# KiCad board Bestellung Rev.1.kicad_pcb (continued)
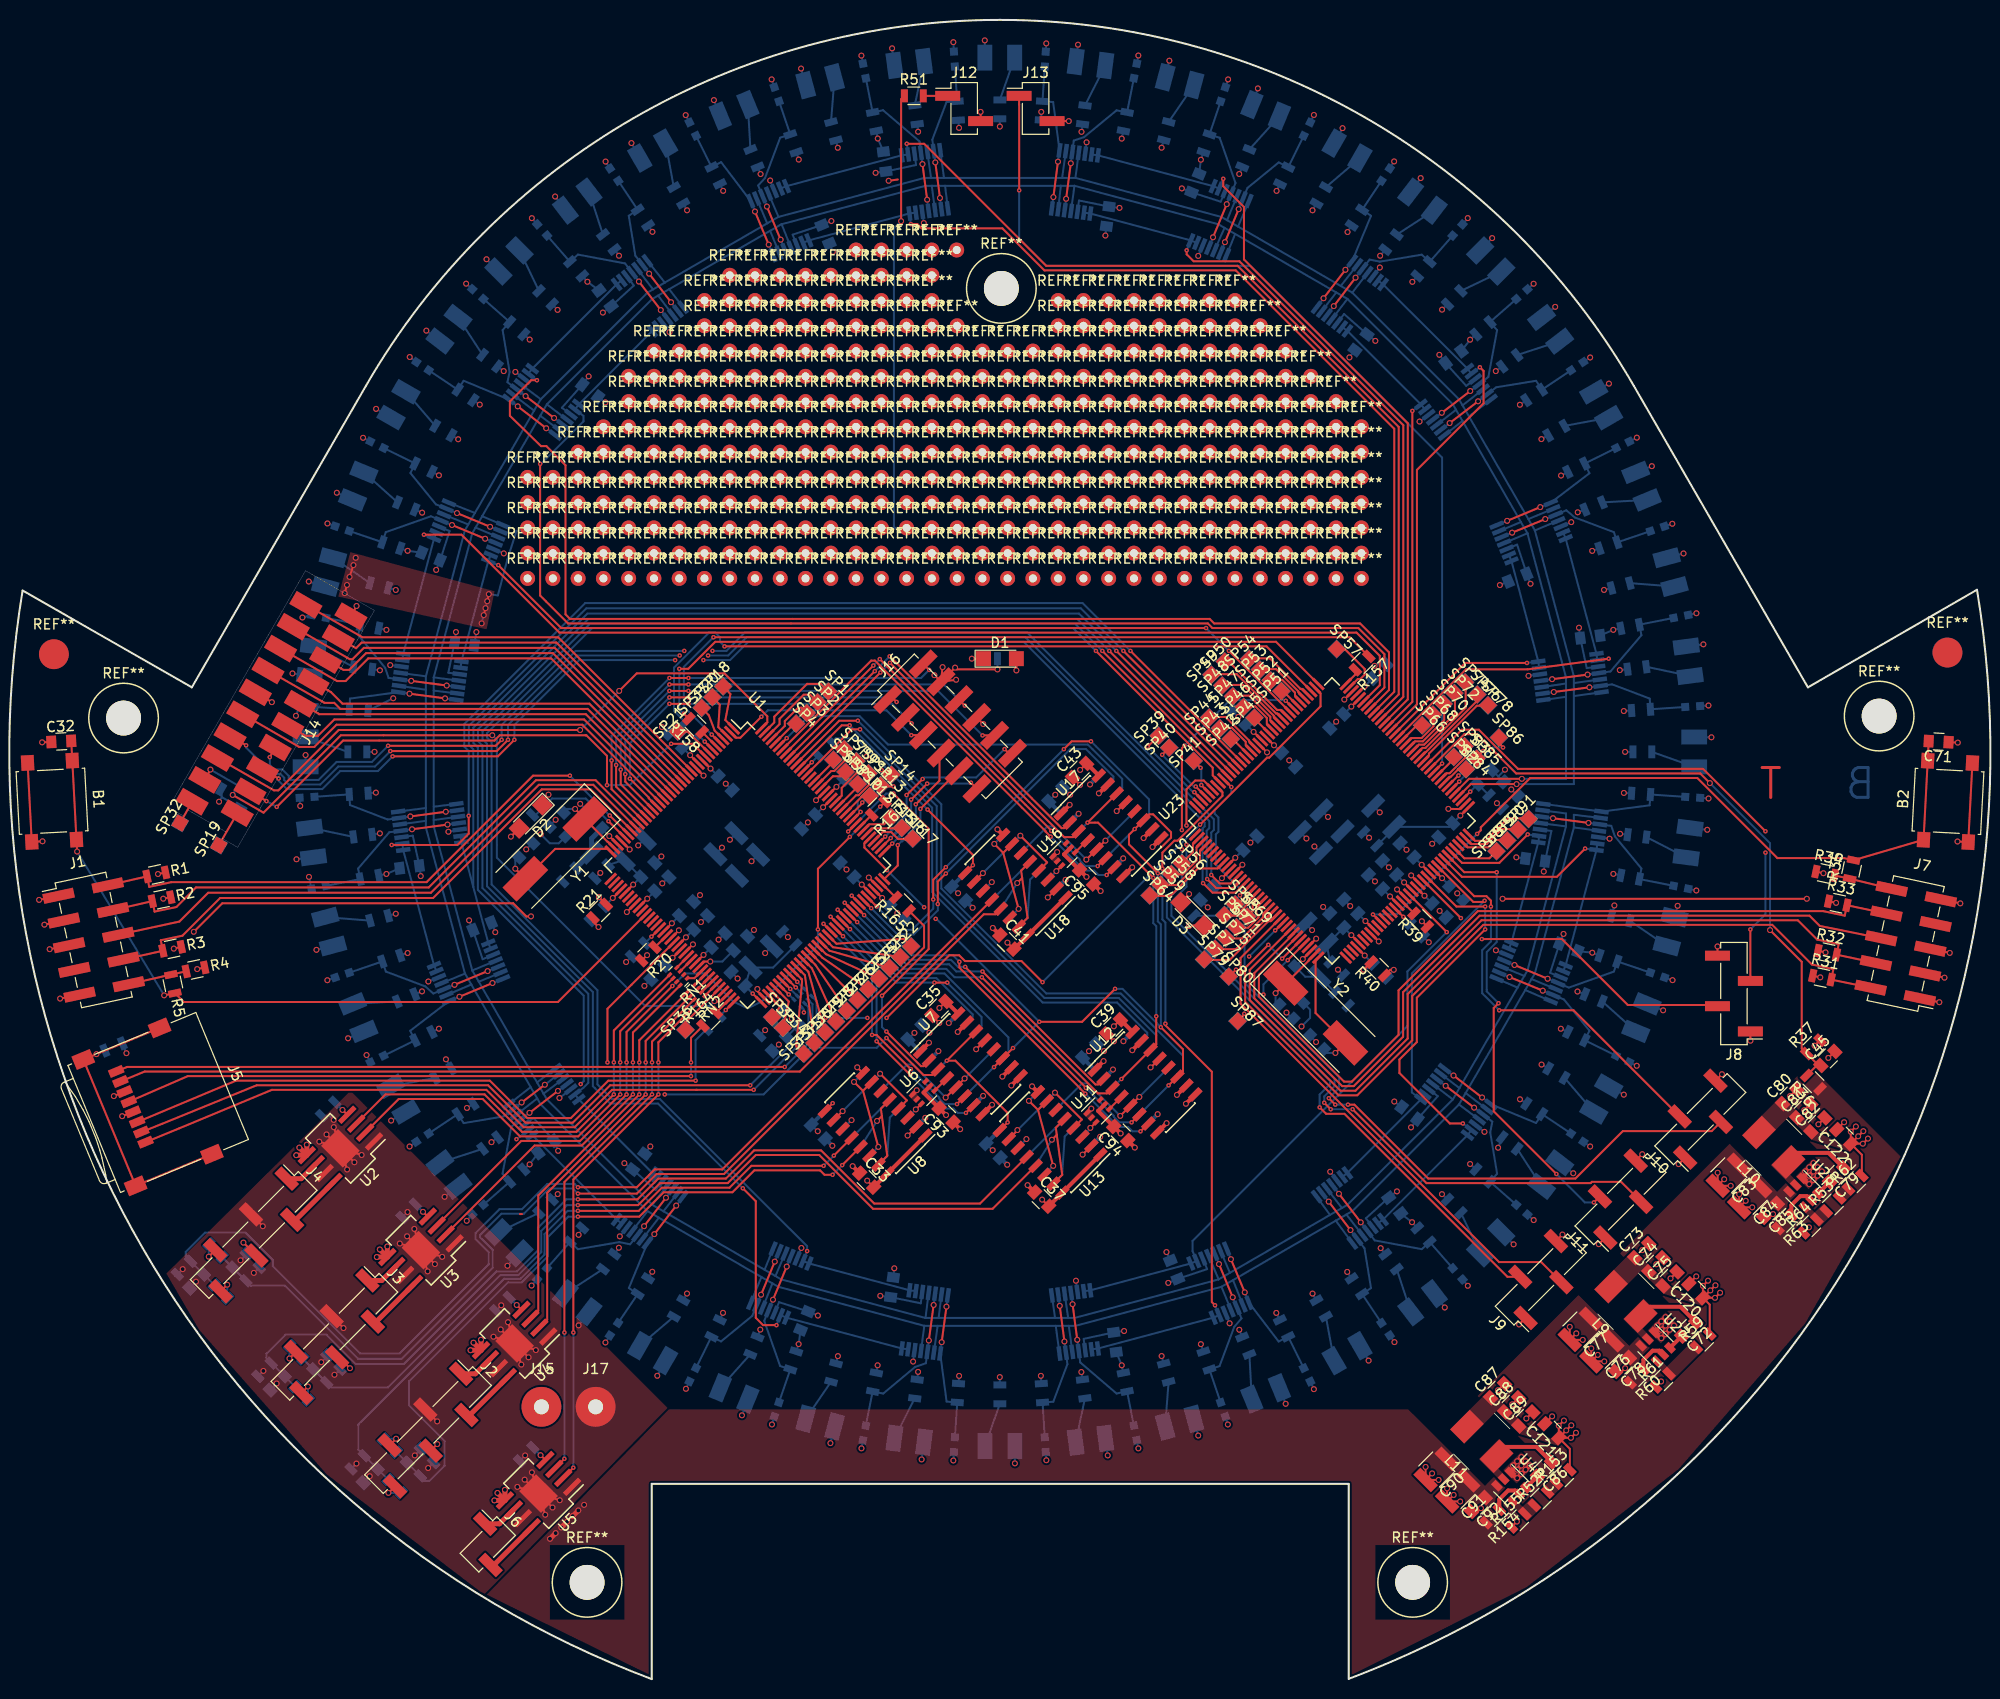
[diagram p0: board, top side]
## Placement (name value [footprint] x y rotation side) (continued)
R111  160  [R_0805]  164.18 93.23 0 bottom
R112  160  [R_0805]  161.99 109.95 15 bottom
R113  6.2K  [R_0805]  164.04 97.45 183.8 bottom
R114  6.2K  [R_0805]  162.94 105.83 191.2 bottom
R115  6.2K  [R_0805]  160.76 113.99 198.8 bottom
R116  6.2K  [R_0805]  157.53 121.8 206.2 bottom
R117  160  [R_0805]  155.53 125.53 30 bottom
R118  160  [R_0805]  145.26 138.9 45 bottom
R119  6.2K  [R_0805]  153.29 129.12 213.8 bottom
R120  6.2K  [R_0805]  148.15 135.82 221.2 bottom
R121  6.2K  [R_0805]  142.17 141.79 228.8 bottom
R122  6.2K  [R_0805]  135.48 146.94 236.2 bottom
R123  160  [R_0805]  131.89 149.18 60 bottom
R124  160  [R_0805]  116.31 155.65 75 bottom
R125  6.2K  [R_0805]  128.16 151.17 243.8 bottom
R126  6.2K  [R_0805]  120.35 154.42 251.2 bottom
R127  6.2K  [R_0805]  112.19 156.6 258.8 bottom
R128  6.2K  [R_0805]  103.8 157.69 266.2 bottom
R129  160  [R_0805]  91.15 157.29 97.5 bottom
R130  160  [R_0805]  74.86 152.92 112.5 bottom
R131  160  [R_0805]  60.25 144.49 127.5 bottom
R132  160  [R_0805]  48.33 132.57 142.5 bottom
R133  160  [R_0805]  39.9 117.95 157.5 bottom
R134  160  [R_0805]  35.54 101.65 172.5 bottom
R135  160  [R_0805]  35.53 84.8 187.5 bottom
R136  160  [R_0805]  39.88 68.5 202.5 bottom
R137  160  [R_0805]  48.33 53.89 217.5 bottom
R138  160  [R_0805]  60.25 41.98 232.5 bottom
R139  160  [R_0805]  74.85 33.53 247.5 bottom
R140  160  [R_0805]  91.15 29.17 262.5 bottom
R141  160  [R_0805]  108.01 29.17 277.5 bottom
R142  160  [R_0805]  124.3 33.52 292.5 bottom
R143  160  [R_0805]  138.9 41.97 307.5 bottom
R144  160  [R_0805]  150.83 53.9 322.5 bottom
R145  160  [R_0805]  159.27 68.5 337.5 bottom
R146  160  [R_0805]  163.64 84.78 352.5 bottom
R147  160  [R_0805]  163.63 101.66 7.5 bottom
R148  160  [R_0805]  159.27 117.95 22.5 bottom
R149  160  [R_0805]  150.83 132.55 37.5 bottom
R150  160  [R_0805]  138.9 144.48 52.5 bottom
R151  160  [R_0805]  124.31 152.93 67.5 bottom
R152  160  [R_0805]  108.02 157.28 82.5 bottom
R153  49.9K  [R_0805]  156.21 20.38 45 top
R154  10K  [R_0805]  149.12 16.4 225 top
R155  10K  [R_0805]  151.69 15.97 45 top
R157  22  [R_0805]  136 102.16 225 top
R158  22  [R_0805]  68.98 95.89 135 top
R159  22  [R_0805]  68.63 95.54 135 bottom
R163  22  [R_0805]  70.76 66 45 bottom
R164  22  [R_0805]  70.4 66.36 45 top
R165  22  [R_0805]  89.78 77.92 135 top
R167  22  [R_0805]  87.37 87.56 225 top
REF**  -  [Measurement_Point_Round-TH_Small]  52.1 118.29 0 top
REF**#2  -  [Measurement_Point_Round-TH_Small]  54.64 118.29 0 top
REF**#3  -  [Measurement_Point_Round-TH_Small]  57.18 118.29 0 top
REF**#4  -  [Measurement_Point_Round-TH_Small]  59.72 118.29 0 top
REF**#5  -  [Measurement_Point_Round-TH_Small]  62.26 118.29 0 top
REF**#6  -  [Measurement_Point_Round-TH_Small]  64.8 118.29 0 top
REF**#7  -  [Measurement_Point_Round-TH_Small]  67.34 118.29 0 top
REF**#8  -  [Measurement_Point_Round-TH_Small]  69.88 118.29 0 top
REF**#9  -  [Measurement_Point_Round-TH_Small]  72.42 118.29 0 top
REF**#10  -  [Measurement_Point_Round-TH_Small]  74.96 118.29 0 top
REF**#11  -  [Measurement_Point_Round-TH_Small]  77.5 118.29 0 top
REF**#12  -  [Measurement_Point_Round-TH_Small]  80.04 118.29 0 top
REF**#13  -  [Measurement_Point_Round-TH_Small]  82.58 118.29 0 top
REF**#14  -  [Measurement_Point_Round-TH_Small]  85.12 118.29 0 top
REF**#15  -  [Measurement_Point_Round-TH_Small]  87.66 118.29 0 top
REF**#16  -  [Measurement_Point_Round-TH_Small]  90.2 118.29 0 top
REF**#17  -  [Measurement_Point_Round-TH_Small]  92.74 118.29 0 top
REF**#18  -  [Measurement_Point_Round-TH_Small]  95.28 118.29 0 top
REF**#19  -  [Measurement_Point_Round-TH_Small]  97.82 118.29 0 top
REF**#20  -  [Measurement_Point_Round-TH_Small]  100.36 118.29 0 top
REF**#21  -  [Measurement_Point_Round-TH_Small]  102.9 118.29 0 top
REF**#22  -  [Measurement_Point_Round-TH_Small]  105.44 118.29 0 top
REF**#23  -  [Measurement_Point_Round-TH_Small]  107.98 118.29 0 top
REF**#24  -  [Measurement_Point_Round-TH_Small]  110.52 118.29 0 top
REF**#25  -  [Measurement_Point_Round-TH_Small]  113.06 118.29 0 top
REF**#26  -  [Measurement_Point_Round-TH_Small]  115.6 118.29 0 top
REF**#27  -  [Measurement_Point_Round-TH_Small]  118.14 118.29 0 top
REF**#28  -  [Measurement_Point_Round-TH_Small]  120.68 118.29 0 top
REF**#29  -  [Measurement_Point_Round-TH_Small]  123.22 118.29 0 top
REF**#30  -  [Measurement_Point_Round-TH_Small]  125.76 118.29 0 top
REF**#31  -  [Measurement_Point_Round-TH_Small]  128.3 118.29 0 top
REF**#32  -  [Measurement_Point_Round-TH_Small]  130.84 118.29 0 top
REF**#33  -  [Measurement_Point_Round-TH_Small]  133.38 118.29 0 top
REF**#34  -  [Measurement_Point_Round-TH_Small]  135.92 118.29 0 top
REF**#35  -  [Measurement_Point_Round-TH_Small]  52.1 120.83 0 top
REF**#36  -  [Measurement_Point_Round-TH_Small]  54.64 120.83 0 top
REF**#37  -  [Measurement_Point_Round-TH_Small]  57.18 120.83 0 top
REF**#38  -  [Measurement_Point_Round-TH_Small]  59.72 120.83 0 top
REF**#39  -  [Measurement_Point_Round-TH_Small]  62.26 120.83 0 top
REF**#40  -  [Measurement_Point_Round-TH_Small]  64.8 120.83 0 top
REF**#41  -  [Measurement_Point_Round-TH_Small]  67.34 120.83 0 top
REF**#42  -  [Measurement_Point_Round-TH_Small]  69.88 120.83 0 top
REF**#43  -  [Measurement_Point_Round-TH_Small]  72.42 120.83 0 top
REF**#44  -  [Measurement_Point_Round-TH_Small]  74.96 120.83 0 top
REF**#45  -  [Measurement_Point_Round-TH_Small]  77.5 120.83 0 top
REF**#46  -  [Measurement_Point_Round-TH_Small]  80.04 120.83 0 top
REF**#47  -  [Measurement_Point_Round-TH_Small]  82.58 120.83 0 top
REF**#48  -  [Measurement_Point_Round-TH_Small]  85.12 120.83 0 top
REF**#49  -  [Measurement_Point_Round-TH_Small]  87.66 120.83 0 top
REF**#50  -  [Measurement_Point_Round-TH_Small]  90.2 120.83 0 top
REF**#51  -  [Measurement_Point_Round-TH_Small]  92.74 120.83 0 top
REF**#52  -  [Measurement_Point_Round-TH_Small]  95.28 120.83 0 top
REF**#53  -  [Measurement_Point_Round-TH_Small]  97.82 120.83 0 top
REF**#54  -  [Measurement_Point_Round-TH_Small]  100.36 120.83 0 top
REF**#55  -  [Measurement_Point_Round-TH_Small]  102.9 120.83 0 top
REF**#56  -  [Measurement_Point_Round-TH_Small]  105.44 120.83 0 top
REF**#57  -  [Measurement_Point_Round-TH_Small]  107.98 120.83 0 top
REF**#58  -  [Measurement_Point_Round-TH_Small]  110.52 120.83 0 top
REF**#59  -  [Measurement_Point_Round-TH_Small]  113.06 120.83 0 top
REF**#60  -  [Measurement_Point_Round-TH_Small]  115.6 120.83 0 top
REF**#61  -  [Measurement_Point_Round-TH_Small]  118.14 120.83 0 top
REF**#62  -  [Measurement_Point_Round-TH_Small]  120.68 120.83 0 top
REF**#63  -  [Measurement_Point_Round-TH_Small]  123.22 120.83 0 top
REF**#64  -  [Measurement_Point_Round-TH_Small]  125.76 120.83 0 top
REF**#65  -  [Measurement_Point_Round-TH_Small]  128.3 120.83 0 top
REF**#66  -  [Measurement_Point_Round-TH_Small]  130.84 120.83 0 top
REF**#67  -  [Measurement_Point_Round-TH_Small]  133.38 120.83 0 top
REF**#68  -  [Measurement_Point_Round-TH_Small]  135.92 120.83 0 top
REF**#69  -  [Measurement_Point_Round-TH_Small]  57.18 123.37 0 top
REF**#70  -  [Measurement_Point_Round-TH_Small]  59.72 123.37 0 top
REF**#71  -  [Measurement_Point_Round-TH_Small]  62.26 123.37 0 top
REF**#72  -  [Measurement_Point_Round-TH_Small]  64.8 123.37 0 top
REF**#73  -  [Measurement_Point_Round-TH_Small]  67.34 123.37 0 top
REF**#74  -  [Measurement_Point_Round-TH_Small]  69.88 123.37 0 top
REF**#75  -  [Measurement_Point_Round-TH_Small]  72.42 123.37 0 top
REF**#76  -  [Measurement_Point_Round-TH_Small]  74.96 123.37 0 top
REF**#77  -  [Measurement_Point_Round-TH_Small]  77.5 123.37 0 top
REF**#78  -  [Measurement_Point_Round-TH_Small]  80.04 123.37 0 top
REF**#79  -  [Measurement_Point_Round-TH_Small]  82.58 123.37 0 top
REF**#80  -  [Measurement_Point_Round-TH_Small]  85.12 123.37 0 top
REF**#81  -  [Measurement_Point_Round-TH_Small]  87.66 123.37 0 top
REF**#82  -  [Measurement_Point_Round-TH_Small]  90.2 123.37 0 top
REF**#83  -  [Measurement_Point_Round-TH_Small]  92.74 123.37 0 top
REF**#84  -  [Measurement_Point_Round-TH_Small]  95.28 123.37 0 top
REF**#85  -  [Measurement_Point_Round-TH_Small]  97.82 123.37 0 top
REF**#86  -  [Measurement_Point_Round-TH_Small]  100.36 123.37 0 top
REF**#87  -  [Measurement_Point_Round-TH_Small]  102.9 123.37 0 top
REF**#88  -  [Measurement_Point_Round-TH_Small]  105.44 123.37 0 top
REF**#89  -  [Measurement_Point_Round-TH_Small]  107.98 123.37 0 top
REF**#90  -  [Measurement_Point_Round-TH_Small]  110.52 123.37 0 top
REF**#91  -  [Measurement_Point_Round-TH_Small]  113.06 123.37 0 top
REF**#92  -  [Measurement_Point_Round-TH_Small]  115.6 123.37 0 top
REF**#93  -  [Measurement_Point_Round-TH_Small]  118.14 123.37 0 top
REF**#94  -  [Measurement_Point_Round-TH_Small]  120.68 123.37 0 top
REF**#95  -  [Measurement_Point_Round-TH_Small]  123.22 123.37 0 top
REF**#96  -  [Measurement_Point_Round-TH_Small]  125.76 123.37 0 top
REF**#97  -  [Measurement_Point_Round-TH_Small]  128.3 123.37 0 top
REF**#98  -  [Measurement_Point_Round-TH_Small]  130.84 123.37 0 top
REF**#99  -  [Measurement_Point_Round-TH_Small]  133.38 123.37 0 top
REF**#100  -  [Measurement_Point_Round-TH_Small]  135.92 123.37 0 top
REF**#101  -  [Measurement_Point_Round-TH_Small]  59.72 125.91 0 top
REF**#102  -  [Measurement_Point_Round-TH_Small]  62.26 125.91 0 top
REF**#103  -  [Measurement_Point_Round-TH_Small]  64.8 125.91 0 top
REF**#104  -  [Measurement_Point_Round-TH_Small]  67.34 125.91 0 top
REF**#105  -  [Measurement_Point_Round-TH_Small]  69.88 125.91 0 top
REF**#106  -  [Measurement_Point_Round-TH_Small]  72.42 125.91 0 top
REF**#107  -  [Measurement_Point_Round-TH_Small]  74.96 125.91 0 top
REF**#108  -  [Measurement_Point_Round-TH_Small]  77.5 125.91 0 top
REF**#109  -  [Measurement_Point_Round-TH_Small]  80.04 125.91 0 top
REF**#110  -  [Measurement_Point_Round-TH_Small]  82.58 125.91 0 top
REF**#111  -  [Measurement_Point_Round-TH_Small]  85.12 125.91 0 top
REF**#112  -  [Measurement_Point_Round-TH_Small]  87.66 125.91 0 top
REF**#113  -  [Measurement_Point_Round-TH_Small]  90.2 125.91 0 top
REF**#114  -  [Measurement_Point_Round-TH_Small]  92.74 125.91 0 top
REF**#115  -  [Measurement_Point_Round-TH_Small]  95.28 125.91 0 top
REF**#116  -  [Measurement_Point_Round-TH_Small]  97.82 125.91 0 top
REF**#117  -  [Measurement_Point_Round-TH_Small]  100.36 125.91 0 top
REF**#118  -  [Measurement_Point_Round-TH_Small]  102.9 125.91 0 top
REF**#119  -  [Measurement_Point_Round-TH_Small]  105.44 125.91 0 top
REF**#120  -  [Measurement_Point_Round-TH_Small]  107.98 125.91 0 top
REF**#121  -  [Measurement_Point_Round-TH_Small]  110.52 125.91 0 top
REF**#122  -  [Measurement_Point_Round-TH_Small]  113.06 125.91 0 top
REF**#123  -  [Measurement_Point_Round-TH_Small]  115.6 125.91 0 top
REF**#124  -  [Measurement_Point_Round-TH_Small]  118.14 125.91 0 top
REF**#125  -  [Measurement_Point_Round-TH_Small]  120.68 125.91 0 top
REF**#126  -  [Measurement_Point_Round-TH_Small]  123.22 125.91 0 top
REF**#127  -  [Measurement_Point_Round-TH_Small]  125.76 125.91 0 top
REF**#128  -  [Measurement_Point_Round-TH_Small]  128.3 125.91 0 top
REF**#129  -  [Measurement_Point_Round-TH_Small]  130.84 125.91 0 top
REF**#130  -  [Measurement_Point_Round-TH_Small]  133.38 125.91 0 top
REF**#131  -  [Measurement_Point_Round-TH_Small]  135.92 125.91 0 top
REF**#132  -  [Measurement_Point_Round-TH_Small]  62.26 128.45 0 top
REF**#133  -  [Measurement_Point_Round-TH_Small]  64.8 128.45 0 top
REF**#134  -  [Measurement_Point_Round-TH_Small]  67.34 128.45 0 top
REF**#135  -  [Measurement_Point_Round-TH_Small]  69.88 128.45 0 top
REF**#136  -  [Measurement_Point_Round-TH_Small]  72.42 128.45 0 top
REF**#137  -  [Measurement_Point_Round-TH_Small]  74.96 128.45 0 top
REF**#138  -  [Measurement_Point_Round-TH_Small]  77.5 128.45 0 top
REF**#139  -  [Measurement_Point_Round-TH_Small]  80.04 128.45 0 top
REF**#140  -  [Measurement_Point_Round-TH_Small]  82.58 128.45 0 top
REF**#141  -  [Measurement_Point_Round-TH_Small]  85.12 128.45 0 top
REF**#142  -  [Measurement_Point_Round-TH_Small]  87.66 128.45 0 top
REF**#143  -  [Measurement_Point_Round-TH_Small]  90.2 128.45 0 top
REF**#144  -  [Measurement_Point_Round-TH_Small]  92.74 128.45 0 top
REF**#145  -  [Measurement_Point_Round-TH_Small]  95.28 128.45 0 top
REF**#146  -  [Measurement_Point_Round-TH_Small]  97.82 128.45 0 top
REF**#147  -  [Measurement_Point_Round-TH_Small]  100.36 128.45 0 top
REF**#148  -  [Measurement_Point_Round-TH_Small]  102.9 128.45 0 top
REF**#149  -  [Measurement_Point_Round-TH_Small]  105.44 128.45 0 top
REF**#150  -  [Measurement_Point_Round-TH_Small]  107.98 128.45 0 top
REF**#151  -  [Measurement_Point_Round-TH_Small]  110.52 128.45 0 top
REF**#152  -  [Measurement_Point_Round-TH_Small]  113.06 128.45 0 top
REF**#153  -  [Measurement_Point_Round-TH_Small]  115.6 128.45 0 top
REF**#154  -  [Measurement_Point_Round-TH_Small]  118.14 128.45 0 top
REF**#155  -  [Measurement_Point_Round-TH_Small]  120.68 128.45 0 top
REF**#156  -  [Measurement_Point_Round-TH_Small]  123.22 128.45 0 top
REF**#157  -  [Measurement_Point_Round-TH_Small]  125.76 128.45 0 top
REF**#158  -  [Measurement_Point_Round-TH_Small]  128.3 128.45 0 top
REF**#159  -  [Measurement_Point_Round-TH_Small]  130.84 128.45 0 top
REF**#160  -  [Measurement_Point_Round-TH_Small]  133.38 128.45 0 top
REF**#161  -  [Measurement_Point_Round-TH_Small]  62.26 130.99 0 top
REF**#162  -  [Measurement_Point_Round-TH_Small]  64.8 130.99 0 top
REF**#163  -  [Measurement_Point_Round-TH_Small]  67.34 130.99 0 top
REF**#164  -  [Measurement_Point_Round-TH_Small]  69.88 130.99 0 top
REF**#165  -  [Measurement_Point_Round-TH_Small]  72.42 130.99 0 top
REF**#166  -  [Measurement_Point_Round-TH_Small]  74.96 130.99 0 top
REF**#167  -  [Measurement_Point_Round-TH_Small]  77.5 130.99 0 top
REF**#168  -  [Measurement_Point_Round-TH_Small]  80.04 130.99 0 top
REF**#169  -  [Measurement_Point_Round-TH_Small]  82.58 130.99 0 top
REF**#170  -  [Measurement_Point_Round-TH_Small]  85.12 130.99 0 top
REF**#171  -  [Measurement_Point_Round-TH_Small]  87.66 130.99 0 top
REF**#172  -  [Measurement_Point_Round-TH_Small]  90.2 130.99 0 top
REF**#173  -  [Measurement_Point_Round-TH_Small]  92.74 130.99 0 top
REF**#174  -  [Measurement_Point_Round-TH_Small]  95.28 130.99 0 top
REF**#175  -  [Measurement_Point_Round-TH_Small]  97.82 130.99 0 top
REF**#176  -  [Measurement_Point_Round-TH_Small]  100.36 130.99 0 top
REF**#177  -  [Measurement_Point_Round-TH_Small]  102.9 130.99 0 top
REF**#178  -  [Measurement_Point_Round-TH_Small]  105.44 130.99 0 top
REF**#179  -  [Measurement_Point_Round-TH_Small]  107.98 130.99 0 top
REF**#180  -  [Measurement_Point_Round-TH_Small]  110.52 130.99 0 top
REF**#181  -  [Measurement_Point_Round-TH_Small]  113.06 130.99 0 top
REF**#182  -  [Measurement_Point_Round-TH_Small]  115.6 130.99 0 top
REF**#183  -  [Measurement_Point_Round-TH_Small]  118.14 130.99 0 top
REF**#184  -  [Measurement_Point_Round-TH_Small]  120.68 130.99 0 top
REF**#185  -  [Measurement_Point_Round-TH_Small]  123.22 130.99 0 top
REF**#186  -  [Measurement_Point_Round-TH_Small]  125.76 130.99 0 top
REF**#187  -  [Measurement_Point_Round-TH_Small]  128.3 130.99 0 top
REF**#188  -  [Measurement_Point_Round-TH_Small]  130.84 130.99 0 top
REF**#189  -  [Measurement_Point_Round-TH_Small]  64.8 133.53 0 top
REF**#190  -  [Measurement_Point_Round-TH_Small]  67.34 133.53 0 top
REF**#191  -  [Measurement_Point_Round-TH_Small]  69.88 133.53 0 top
REF**#192  -  [Measurement_Point_Round-TH_Small]  72.42 133.53 0 top
REF**#193  -  [Measurement_Point_Round-TH_Small]  74.96 133.53 0 top
REF**#194  -  [Measurement_Point_Round-TH_Small]  77.5 133.53 0 top
REF**#195  -  [Measurement_Point_Round-TH_Small]  80.04 133.53 0 top
REF**#196  -  [Measurement_Point_Round-TH_Small]  82.58 133.53 0 top
REF**#197  -  [Measurement_Point_Round-TH_Small]  85.12 133.53 0 top
REF**#198  -  [Measurement_Point_Round-TH_Small]  87.66 133.53 0 top
REF**#199  -  [Measurement_Point_Round-TH_Small]  90.2 133.53 0 top
REF**#200  -  [Measurement_Point_Round-TH_Small]  92.74 133.53 0 top
REF**#201  -  [Measurement_Point_Round-TH_Small]  95.28 133.53 0 top
REF**#202  -  [Measurement_Point_Round-TH_Small]  97.82 133.53 0 top
REF**#203  -  [Measurement_Point_Round-TH_Small]  100.36 133.53 0 top
REF**#204  -  [Measurement_Point_Round-TH_Small]  102.9 133.53 0 top
REF**#205  -  [Measurement_Point_Round-TH_Small]  105.44 133.53 0 top
REF**#206  -  [Measurement_Point_Round-TH_Small]  107.98 133.53 0 top
REF**#207  -  [Measurement_Point_Round-TH_Small]  110.52 133.53 0 top
REF**#208  -  [Measurement_Point_Round-TH_Small]  113.06 133.53 0 top
REF**#209  -  [Measurement_Point_Round-TH_Small]  115.6 133.53 0 top
REF**#210  -  [Measurement_Point_Round-TH_Small]  118.14 133.53 0 top
REF**#211  -  [Measurement_Point_Round-TH_Small]  120.68 133.53 0 top
REF**#212  -  [Measurement_Point_Round-TH_Small]  123.22 133.53 0 top
REF**#213  -  [Measurement_Point_Round-TH_Small]  125.76 133.53 0 top
REF**#214  -  [Measurement_Point_Round-TH_Small]  128.3 133.53 0 top
REF**#215  -  [Measurement_Point_Round-TH_Small]  69.88 136.07 0 top
REF**#216  -  [Measurement_Point_Round-TH_Small]  72.42 136.07 0 top
REF**#217  -  [Measurement_Point_Round-TH_Small]  74.96 136.07 0 top
REF**#218  -  [Measurement_Point_Round-TH_Small]  77.5 136.07 0 top
REF**#219  -  [Measurement_Point_Round-TH_Small]  80.04 136.07 0 top
REF**#220  -  [Measurement_Point_Round-TH_Small]  82.58 136.07 0 top
REF**#221  -  [Measurement_Point_Round-TH_Small]  85.12 136.07 0 top
REF**#222  -  [Measurement_Point_Round-TH_Small]  87.66 136.07 0 top
REF**#223  -  [Measurement_Point_Round-TH_Small]  90.2 136.07 0 top
REF**#224  -  [Measurement_Point_Round-TH_Small]  92.74 136.07 0 top
REF**#225  -  [Measurement_Point_Round-TH_Small]  95.28 136.07 0 top
REF**#226  -  [Measurement_Point_Round-TH_Small]  105.44 136.07 0 top
REF**#227  -  [Measurement_Point_Round-TH_Small]  107.98 136.07 0 top
REF**#228  -  [Measurement_Point_Round-TH_Small]  110.52 136.07 0 top
REF**#229  -  [Measurement_Point_Round-TH_Small]  113.06 136.07 0 top
REF**#230  -  [Measurement_Point_Round-TH_Small]  115.6 136.07 0 top
REF**#231  -  [Measurement_Point_Round-TH_Small]  118.14 136.07 0 top
REF**#232  -  [Measurement_Point_Round-TH_Small]  120.68 136.07 0 top
REF**#233  -  [Measurement_Point_Round-TH_Small]  123.22 136.07 0 top
REF**#234  -  [Measurement_Point_Round-TH_Small]  125.76 136.07 0 top
REF**#235  -  [Measurement_Point_Round-TH_Small]  69.88 138.61 0 top
REF**#236  -  [Measurement_Point_Round-TH_Small]  72.42 138.61 0 top
REF**#237  -  [Measurement_Point_Round-TH_Small]  74.96 138.61 0 top
REF**#238  -  [Measurement_Point_Round-TH_Small]  77.5 138.61 0 top
REF**#239  -  [Measurement_Point_Round-TH_Small]  80.04 138.61 0 top
REF**#240  -  [Measurement_Point_Round-TH_Small]  82.58 138.61 0 top
REF**#241  -  [Measurement_Point_Round-TH_Small]  85.12 138.61 0 top
REF**#242  -  [Measurement_Point_Round-TH_Small]  87.66 138.61 0 top
REF**#243  -  [Measurement_Point_Round-TH_Small]  90.2 138.61 0 top
REF**#244  -  [Measurement_Point_Round-TH_Small]  92.74 138.61 0 top
REF**#245  -  [Measurement_Point_Round-TH_Small]  105.44 138.61 0 top
REF**#246  -  [Measurement_Point_Round-TH_Small]  107.98 138.61 0 top
REF**#247  -  [Measurement_Point_Round-TH_Small]  110.52 138.61 0 top
REF**#248  -  [Measurement_Point_Round-TH_Small]  113.06 138.61 0 top
REF**#249  -  [Measurement_Point_Round-TH_Small]  115.6 138.61 0 top
REF**#250  -  [Measurement_Point_Round-TH_Small]  118.14 138.61 0 top
REF**#251  -  [Measurement_Point_Round-TH_Small]  120.68 138.61 0 top
REF**#252  -  [Measurement_Point_Round-TH_Small]  123.22 138.61 0 top
REF**#253  -  [Measurement_Point_Round-TH_Small]  72.42 141.15 0 top
REF**#254  -  [Measurement_Point_Round-TH_Small]  74.96 141.15 0 top
REF**#255  -  [Measurement_Point_Round-TH_Small]  77.5 141.15 0 top
REF**#256  -  [Measurement_Point_Round-TH_Small]  80.04 141.15 0 top
REF**#257  -  [Measurement_Point_Round-TH_Small]  82.58 141.15 0 top
REF**#258  -  [Measurement_Point_Round-TH_Small]  85.12 141.15 0 top
REF**#259  -  [Measurement_Point_Round-TH_Small]  87.66 141.15 0 top
REF**#260  -  [Measurement_Point_Round-TH_Small]  90.2 141.15 0 top
REF**#261  -  [Measurement_Point_Round-TH_Small]  92.74 141.15 0 top
REF**#262  -  [Measurement_Point_Round-TH_Small]  85.12 143.69 0 top
REF**#263  -  [Measurement_Point_Round-TH_Small]  87.66 143.69 0 top
REF**#264  -  [Measurement_Point_Round-TH_Small]  90.2 143.69 0 top
REF**#265  -  [Measurement_Point_Round-TH_Small]  92.74 143.69 0 top
REF**#266  -  [Measurement_Point_Round-TH_Small]  52.1 110.67 0 top
REF**#267  -  [Measurement_Point_Round-TH_Small]  54.64 110.67 0 top
REF**#268  -  [Measurement_Point_Round-TH_Small]  57.18 110.67 0 top
REF**#269  -  [Measurement_Point_Round-TH_Small]  59.72 110.67 0 top
REF**#270  -  [Measurement_Point_Round-TH_Small]  62.26 110.67 0 top
REF**#271  -  [Measurement_Point_Round-TH_Small]  64.8 110.67 0 top
REF**#272  -  [Measurement_Point_Round-TH_Small]  67.34 110.67 0 top
REF**#273  -  [Measurement_Point_Round-TH_Small]  69.88 110.67 0 top
REF**#274  -  [Measurement_Point_Round-TH_Small]  72.42 110.67 0 top
REF**#275  -  [Measurement_Point_Round-TH_Small]  74.96 110.67 0 top
REF**#276  -  [Measurement_Point_Round-TH_Small]  77.5 110.67 0 top
REF**#277  -  [Measurement_Point_Round-TH_Small]  80.04 110.67 0 top
REF**#278  -  [Measurement_Point_Round-TH_Small]  82.58 110.67 0 top
REF**#279  -  [Measurement_Point_Round-TH_Small]  85.12 110.67 0 top
REF**#280  -  [Measurement_Point_Round-TH_Small]  87.66 110.67 0 top
REF**#281  -  [Measurement_Point_Round-TH_Small]  90.2 110.67 0 top
REF**#282  -  [Measurement_Point_Round-TH_Small]  92.74 110.67 0 top
REF**#283  -  [Measurement_Point_Round-TH_Small]  95.28 110.67 0 top
REF**#284  -  [Measurement_Point_Round-TH_Small]  97.82 110.67 0 top
REF**#285  -  [Measurement_Point_Round-TH_Small]  100.36 110.67 0 top
REF**#286  -  [Measurement_Point_Round-TH_Small]  102.9 110.67 0 top
REF**#287  -  [Measurement_Point_Round-TH_Small]  105.44 110.67 0 top
REF**#288  -  [Measurement_Point_Round-TH_Small]  107.98 110.67 0 top
REF**#289  -  [Measurement_Point_Round-TH_Small]  110.52 110.67 0 top
REF**#290  -  [Measurement_Point_Round-TH_Small]  113.06 110.67 0 top
REF**#291  -  [Measurement_Point_Round-TH_Small]  115.6 110.67 0 top
REF**#292  -  [Measurement_Point_Round-TH_Small]  118.14 110.67 0 top
REF**#293  -  [Measurement_Point_Round-TH_Small]  120.68 110.67 0 top
REF**#294  -  [Measurement_Point_Round-TH_Small]  123.22 110.67 0 top
REF**#295  -  [Measurement_Point_Round-TH_Small]  125.76 110.67 0 top
REF**#296  -  [Measurement_Point_Round-TH_Small]  128.3 110.67 0 top
REF**#297  -  [Measurement_Point_Round-TH_Small]  130.84 110.67 0 top
REF**#298  -  [Measurement_Point_Round-TH_Small]  133.38 110.67 0 top
REF**#299  -  [Measurement_Point_Round-TH_Small]  135.92 110.67 0 top
REF**#300  -  [Measurement_Point_Round-TH_Small]  52.1 113.21 0 top
REF**#301  -  [Measurement_Point_Round-TH_Small]  54.64 113.21 0 top
REF**#302  -  [Measurement_Point_Round-TH_Small]  57.18 113.21 0 top
REF**#303  -  [Measurement_Point_Round-TH_Small]  59.72 113.21 0 top
REF**#304  -  [Measurement_Point_Round-TH_Small]  62.26 113.21 0 top
REF**#305  -  [Measurement_Point_Round-TH_Small]  64.8 113.21 0 top
REF**#306  -  [Measurement_Point_Round-TH_Small]  67.34 113.21 0 top
REF**#307  -  [Measurement_Point_Round-TH_Small]  69.88 113.21 0 top
REF**#308  -  [Measurement_Point_Round-TH_Small]  72.42 113.21 0 top
REF**#309  -  [Measurement_Point_Round-TH_Small]  74.96 113.21 0 top
REF**#310  -  [Measurement_Point_Round-TH_Small]  77.5 113.21 0 top
REF**#311  -  [Measurement_Point_Round-TH_Small]  80.04 113.21 0 top
REF**#312  -  [Measurement_Point_Round-TH_Small]  82.58 113.21 0 top
REF**#313  -  [Measurement_Point_Round-TH_Small]  85.12 113.21 0 top
REF**#314  -  [Measurement_Point_Round-TH_Small]  87.66 113.21 0 top
REF**#315  -  [Measurement_Point_Round-TH_Small]  90.2 113.21 0 top
REF**#316  -  [Measurement_Point_Round-TH_Small]  92.74 113.21 0 top
REF**#317  -  [Measurement_Point_Round-TH_Small]  95.28 113.21 0 top
REF**#318  -  [Measurement_Point_Round-TH_Small]  97.82 113.21 0 top
REF**#319  -  [Measurement_Point_Round-TH_Small]  100.36 113.21 0 top
REF**#320  -  [Measurement_Point_Round-TH_Small]  102.9 113.21 0 top
REF**#321  -  [Measurement_Point_Round-TH_Small]  105.44 113.21 0 top
REF**#322  -  [Measurement_Point_Round-TH_Small]  107.98 113.21 0 top
REF**#323  -  [Measurement_Point_Round-TH_Small]  110.52 113.21 0 top
REF**#324  -  [Measurement_Point_Round-TH_Small]  113.06 113.21 0 top
REF**#325  -  [Measurement_Point_Round-TH_Small]  115.6 113.21 0 top
REF**#326  -  [Measurement_Point_Round-TH_Small]  118.14 113.21 0 top
REF**#327  -  [Measurement_Point_Round-TH_Small]  120.68 113.21 0 top
REF**#328  -  [Measurement_Point_Round-TH_Small]  123.22 113.21 0 top
REF**#329  -  [Measurement_Point_Round-TH_Small]  125.76 113.21 0 top
REF**#330  -  [Measurement_Point_Round-TH_Small]  128.3 113.21 0 top
REF**#331  -  [Measurement_Point_Round-TH_Small]  130.84 113.21 0 top
REF**#332  -  [Measurement_Point_Round-TH_Small]  133.38 113.21 0 top
REF**#333  -  [Measurement_Point_Round-TH_Small]  135.92 113.21 0 top
REF**#334  -  [Measurement_Point_Round-TH_Small]  52.1 115.75 0 top
REF**#335  -  [Measurement_Point_Round-TH_Small]  54.64 115.75 0 top
REF**#336  -  [Measurement_Point_Round-TH_Small]  57.18 115.75 0 top
REF**#337  -  [Measurement_Point_Round-TH_Small]  59.72 115.75 0 top
REF**#338  -  [Measurement_Point_Round-TH_Small]  62.26 115.75 0 top
REF**#339  -  [Measurement_Point_Round-TH_Small]  64.8 115.75 0 top
REF**#340  -  [Measurement_Point_Round-TH_Small]  67.34 115.75 0 top
REF**#341  -  [Measurement_Point_Round-TH_Small]  69.88 115.75 0 top
REF**#342  -  [Measurement_Point_Round-TH_Small]  72.42 115.75 0 top
REF**#343  -  [Measurement_Point_Round-TH_Small]  74.96 115.75 0 top
REF**#344  -  [Measurement_Point_Round-TH_Small]  77.5 115.75 0 top
REF**#345  -  [Measurement_Point_Round-TH_Small]  80.04 115.75 0 top
REF**#346  -  [Measurement_Point_Round-TH_Small]  82.58 115.75 0 top
REF**#347  -  [Measurement_Point_Round-TH_Small]  85.12 115.75 0 top
REF**#348  -  [Measurement_Point_Round-TH_Small]  87.66 115.75 0 top
REF**#349  -  [Measurement_Point_Round-TH_Small]  90.2 115.75 0 top
REF**#350  -  [Measurement_Point_Round-TH_Small]  92.74 115.75 0 top
REF**#351  -  [Measurement_Point_Round-TH_Small]  95.28 115.75 0 top
REF**#352  -  [Measurement_Point_Round-TH_Small]  97.82 115.75 0 top
REF**#353  -  [Measurement_Point_Round-TH_Small]  100.36 115.75 0 top
REF**#354  -  [Measurement_Point_Round-TH_Small]  102.9 115.75 0 top
REF**#355  -  [Measurement_Point_Round-TH_Small]  105.44 115.75 0 top
REF**#356  -  [Measurement_Point_Round-TH_Small]  107.98 115.75 0 top
REF**#357  -  [Measurement_Point_Round-TH_Small]  110.52 115.75 0 top
REF**#358  -  [Measurement_Point_Round-TH_Small]  113.06 115.75 0 top
REF**#359  -  [Measurement_Point_Round-TH_Small]  115.6 115.75 0 top
REF**#360  -  [Measurement_Point_Round-TH_Small]  118.14 115.75 0 top
REF**#361  -  [Measurement_Point_Round-TH_Small]  120.68 115.75 0 top
REF**#362  -  [Measurement_Point_Round-TH_Small]  123.22 115.75 0 top
REF**#363  -  [Measurement_Point_Round-TH_Small]  125.76 115.75 0 top
REF**#364  -  [Measurement_Point_Round-TH_Small]  128.3 115.75 0 top
REF**#365  -  [Measurement_Point_Round-TH_Small]  130.84 115.75 0 top
REF**#366  -  [Measurement_Point_Round-TH_Small]  133.38 115.75 0 top
REF**#367  -  [Measurement_Point_Round-TH_Small]  135.92 115.75 0 top
REF**#368  -  [Measurement_Point_Round-SMD-Pad_Big]  194.85 103.21 0 top
REF**#369  -  [Measurement_Point_Round-SMD-Pad_Big]  4.48 103.05 0 top
REF**#370  -  [MountingHole_3.5mm]  187.98 96.83 0 top
REF**#371  -  [MountingHole_3.5mm]  11.48 96.63 0 top
REF**#372  -  [MountingHole_3.5mm]  141.08 9.73 0 top
REF**#373  -  [MountingHole_3.5mm]  58.08 9.73 0 top
REF**#374  -  [MountingHole_3.5mm]  99.73 139.83 0 top
REF**#375  -  [Measurement_Point_Round-TH_Small]  95.24 143.69 0 top
REF**#376  -  [Measurement_Point_Round-SMD-Pad_Big]  194.83 103.23 0 bottom
REF**#377  -  [Measurement_Point_Round-SMD-Pad_Big]  4.48 103.05 0 bottom
RN1  4x22  [R_Array_Concave_4x0402]  67.27 70.65 225 top
RN2  4x22  [R_Array_Concave_4x0402]  69.04 68.88 225 top
RN3  4x22  [R_Array_Concave_4x0402]  79.77 68.48 315 bottom
RN4  4x22  [R_Array_Concave_4x0402]  89.67 85.27 45 bottom
SP1  solder_pad  [WirePad_SMD 1,27x1,27mm]  82.33 99.31 315 top
SP2  solder_pad  [WirePad_SMD 1,27x1,27mm]  81.25 98.23 315 top
SP3  solder_pad  [WirePad_SMD 1,27x1,27mm]  80.17 97.15 315 top
SP4  solder_pad  [WirePad_SMD 1,27x1,27mm]  79.09 96.07 315 top
SP6  solder_pad  [WirePad_SMD 1,27x1,27mm]  82.85 92.44 315 top
SP7  solder_pad  [WirePad_SMD 1,27x1,27mm]  83.93 93.52 315 top
SP8  solder_pad  [WirePad_SMD 1,27x1,27mm]  84.07 91.22 315 top
SP9  solder_pad  [WirePad_SMD 1,27x1,27mm]  85.15 92.3 315 top
SP10  solder_pad  [WirePad_SMD 1,27x1,27mm]  85.29 90 315 top
SP11  solder_pad  [WirePad_SMD 1,27x1,27mm]  86.37 91.08 315 top
SP12  solder_pad  [WirePad_SMD 1,27x1,27mm]  86.51 88.78 315 top
SP13  solder_pad  [WirePad_SMD 1,27x1,27mm]  87.59 89.86 315 top
SP14  solder_pad  [WirePad_SMD 1,27x1,27mm]  88.67 90.94 315 top
SP15  solder_pad  [WirePad_SMD 1,27x1,27mm]  88.65 86.67 315 top
SP16  solder_pad  [WirePad_SMD 1,27x1,27mm]  89.73 85.59 315 top
SP17  solder_pad  [WirePad_SMD 1,27x1,27mm]  90.81 84.51 315 top
SP18  solder_pad  [WirePad_SMD 1,27x1,27mm]  71.76 99.82 45 top
SP19  solder_pad  [WirePad_SMD 1,27x1,27mm]  21.05 83.83 60 top
SP20  solder_pad  [WirePad_SMD 1,27x1,27mm]  70.68 98.74 45 top
SP21  solder_pad  [WirePad_SMD 1,27x1,27mm]  67.2 95.27 45 top
SP22  solder_pad  [WirePad_SMD 1,27x1,27mm]  90.66 73.68 45 top
SP23  solder_pad  [WirePad_SMD 1,27x1,27mm]  89.58 72.6 45 top
SP24  solder_pad  [WirePad_SMD 1,27x1,27mm]  88.5 71.52 45 top
SP25  solder_pad  [WirePad_SMD 1,27x1,27mm]  87.42 70.44 45 top
SP26  solder_pad  [WirePad_SMD 1,27x1,27mm]  86.34 69.36 45 top
SP27  solder_pad  [WirePad_SMD 1,27x1,27mm]  85.26 68.28 45 top
SP28  solder_pad  [WirePad_SMD 1,27x1,27mm]  84.18 67.2 45 top
SP29  solder_pad  [WirePad_SMD 1,27x1,27mm]  83.1 66.12 45 top
SP30  solder_pad  [WirePad_SMD 1,27x1,27mm]  82.02 65.04 45 top
SP31  solder_pad  [WirePad_SMD 1,27x1,27mm]  80.94 63.96 45 top
SP32  solder_pad  [WirePad_SMD 1,27x1,27mm]  17.15 86.07 60 top
SP33  solder_pad  [WirePad_SMD 1,27x1,27mm]  79.86 62.88 45 top
SP34  solder_pad  [WirePad_SMD 1,27x1,27mm]  77.77 65.48 315 top
SP35  solder_pad  [WirePad_SMD 1,27x1,27mm]  76.69 66.56 315 top
SP36  solder_pad  [WirePad_SMD 1,27x1,27mm]  67.97 65.29 45 top
SP37  solder_pad  [WirePad_SMD 1,27x1,27mm]  69.6 97.66 45 top
SP39  solder_pad  [WirePad_SMD 1,27x1,27mm]  115.54 94.85 45 top
SP40  solder_pad  [WirePad_SMD 1,27x1,27mm]  116.61 93.65 45 top
SP41  solder_pad  [WirePad_SMD 1,27x1,27mm]  119.06 92.33 45 top
SP42  solder_pad  [WirePad_SMD 1,27x1,27mm]  122.79 94.53 45 top
SP43  solder_pad  [WirePad_SMD 1,27x1,27mm]  121.71 95.61 45 top
SP44  solder_pad  [WirePad_SMD 1,27x1,27mm]  120.63 96.69 45 top
SP45  solder_pad  [WirePad_SMD 1,27x1,27mm]  125.17 96.67 45 top
SP46  solder_pad  [WirePad_SMD 1,27x1,27mm]  124.09 97.75 45 top
SP47  solder_pad  [WirePad_SMD 1,27x1,27mm]  123.01 98.83 45 top
SP48  solder_pad  [WirePad_SMD 1,27x1,27mm]  121.93 99.91 45 top
SP49  solder_pad  [WirePad_SMD 1,27x1,27mm]  120.85 100.99 45 top
SP50  solder_pad  [WirePad_SMD 1,27x1,27mm]  122.18 102.32 45 top
SP51  solder_pad  [WirePad_SMD 1,27x1,27mm]  127.88 99.34 45 top
SP52  solder_pad  [WirePad_SMD 1,27x1,27mm]  126.8 100.42 45 top
SP53  solder_pad  [WirePad_SMD 1,27x1,27mm]  125.72 101.5 45 top
SP54  solder_pad  [WirePad_SMD 1,27x1,27mm]  124.64 102.58 45 top
SP56  solder_pad  [WirePad_SMD 1,27x1,27mm]  117.88 82.04 315 top
SP57  solder_pad  [WirePad_SMD 1,27x1,27mm]  133.44 103.57 315 top
SP58  solder_pad  [WirePad_SMD 1,27x1,27mm]  116.8 80.96 315 top
SP59  solder_pad  [WirePad_SMD 1,27x1,27mm]  115.72 79.88 315 top
